# Altium PCB PCB2.PcbDoc (part 1 of 9) (continued)
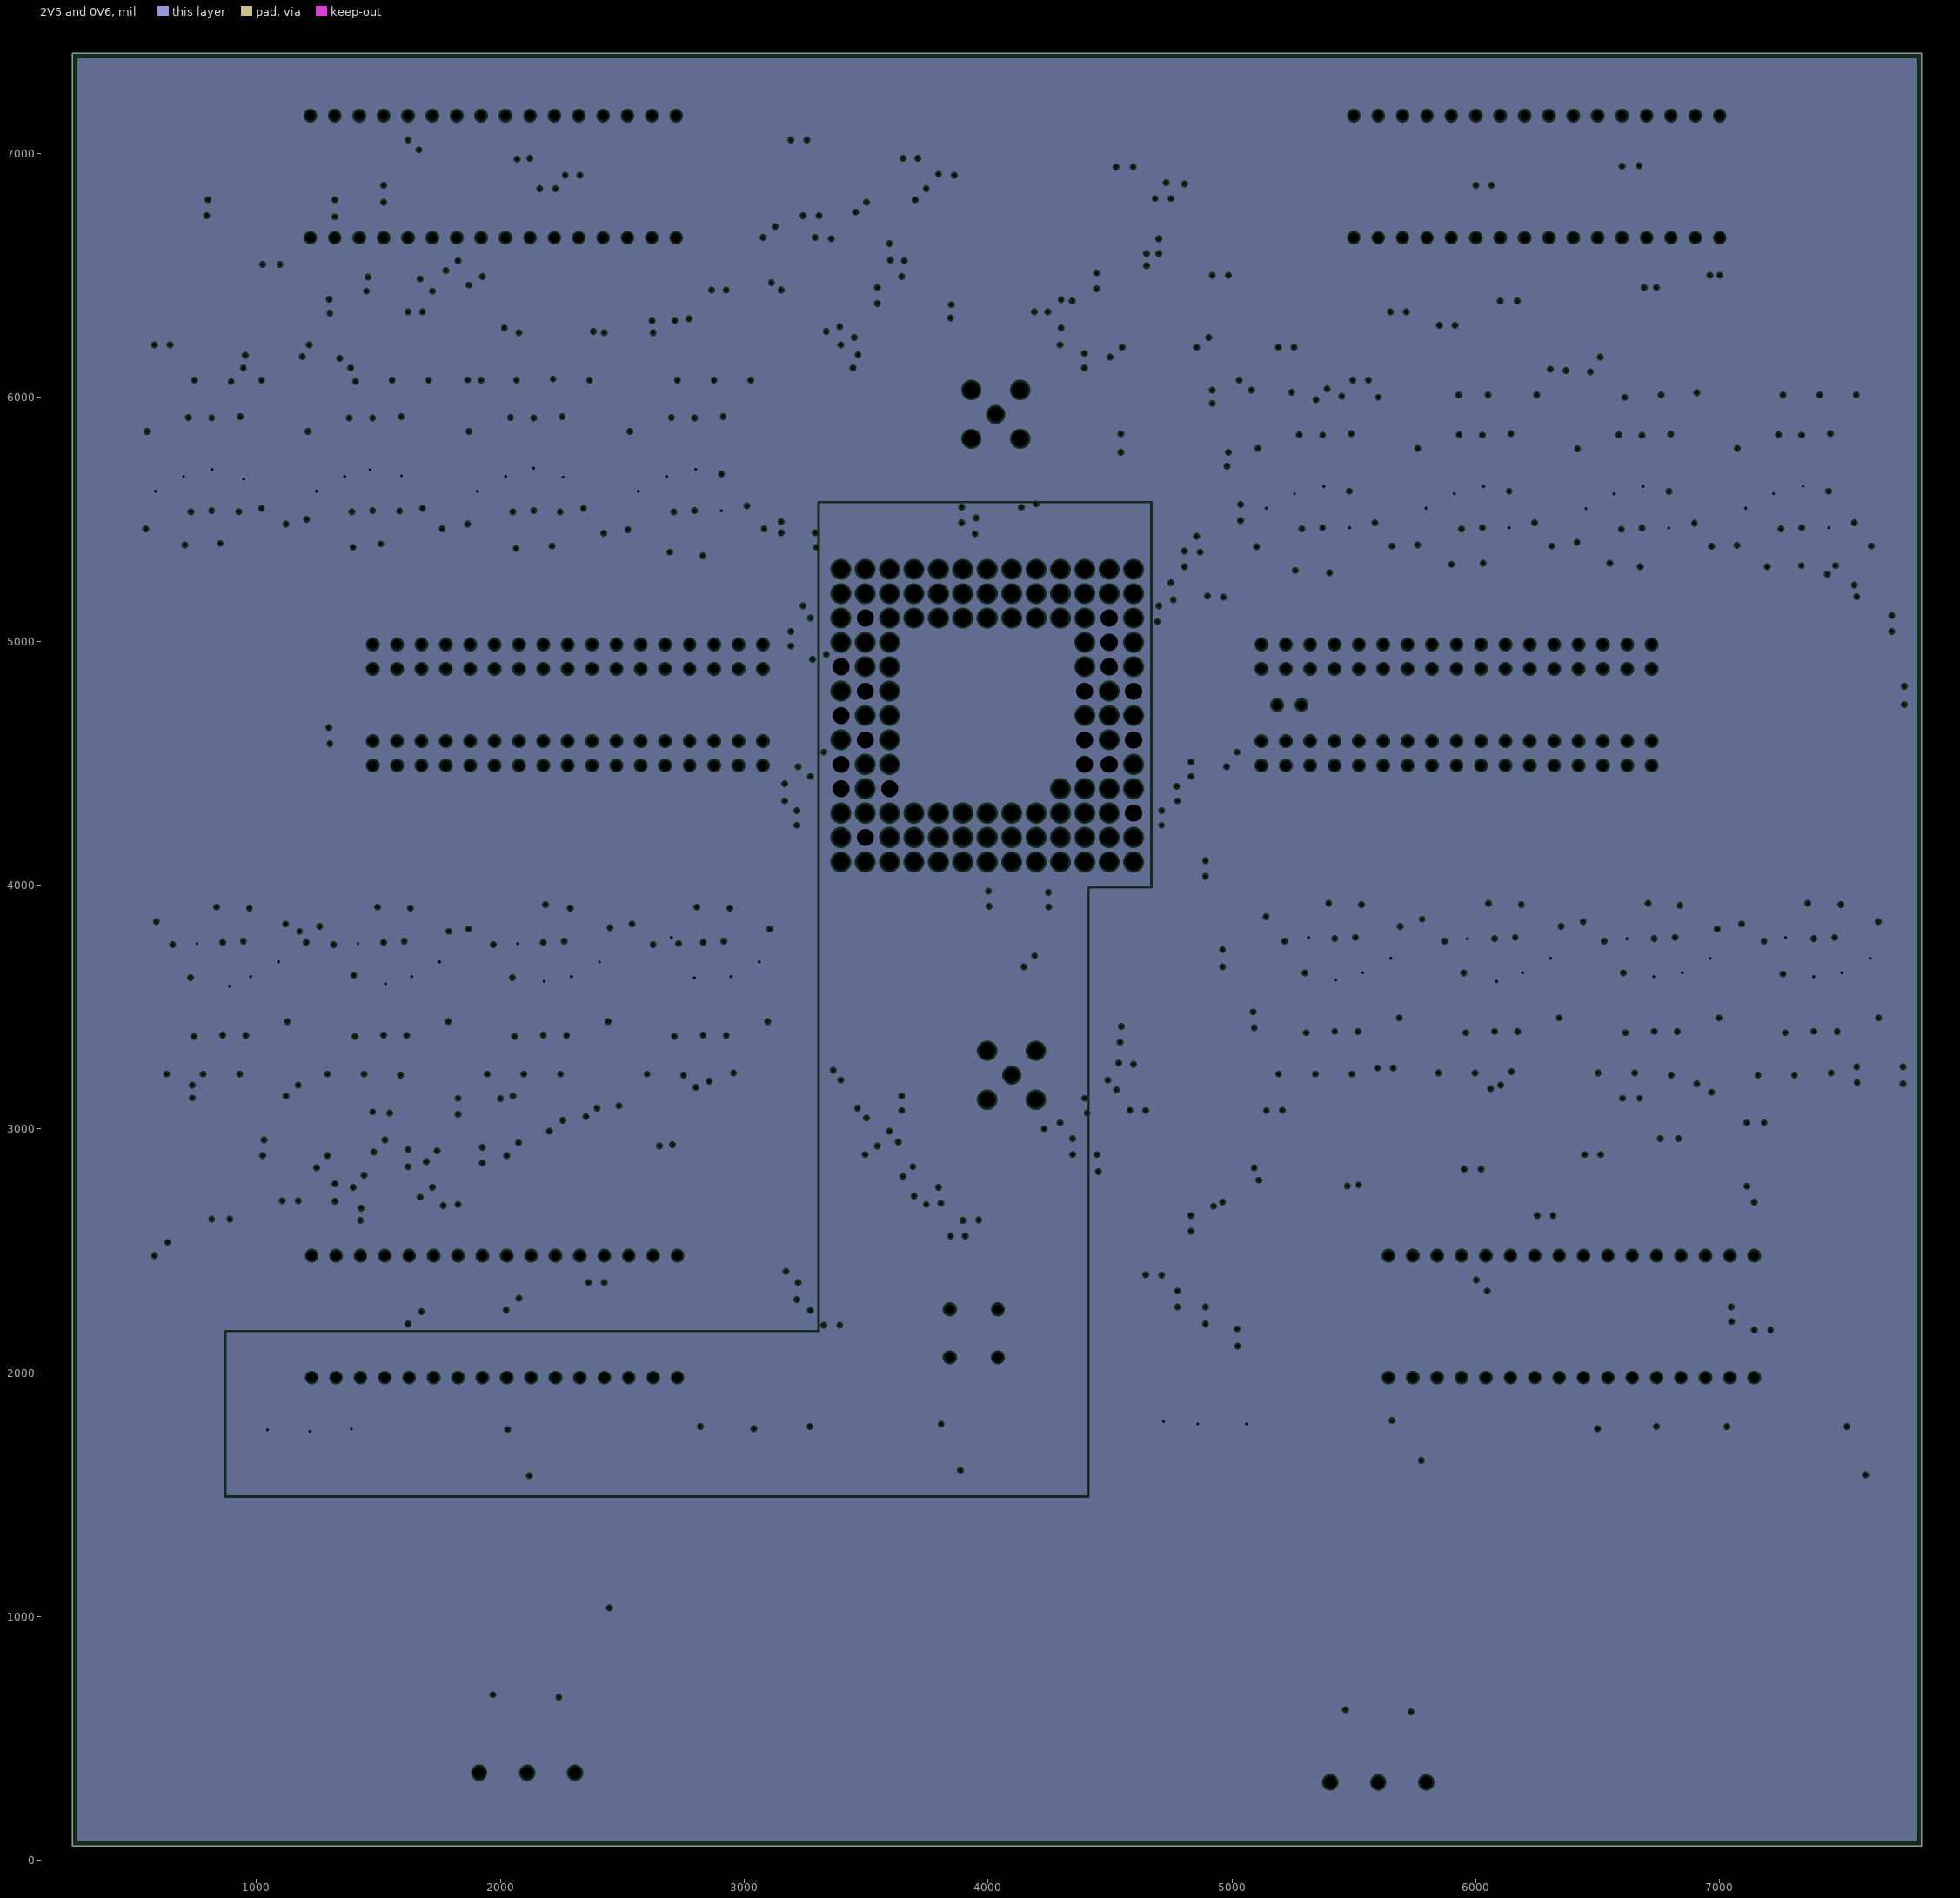
[diagram p3: 2V5 and 0V6, clearances drawn from the general rule]
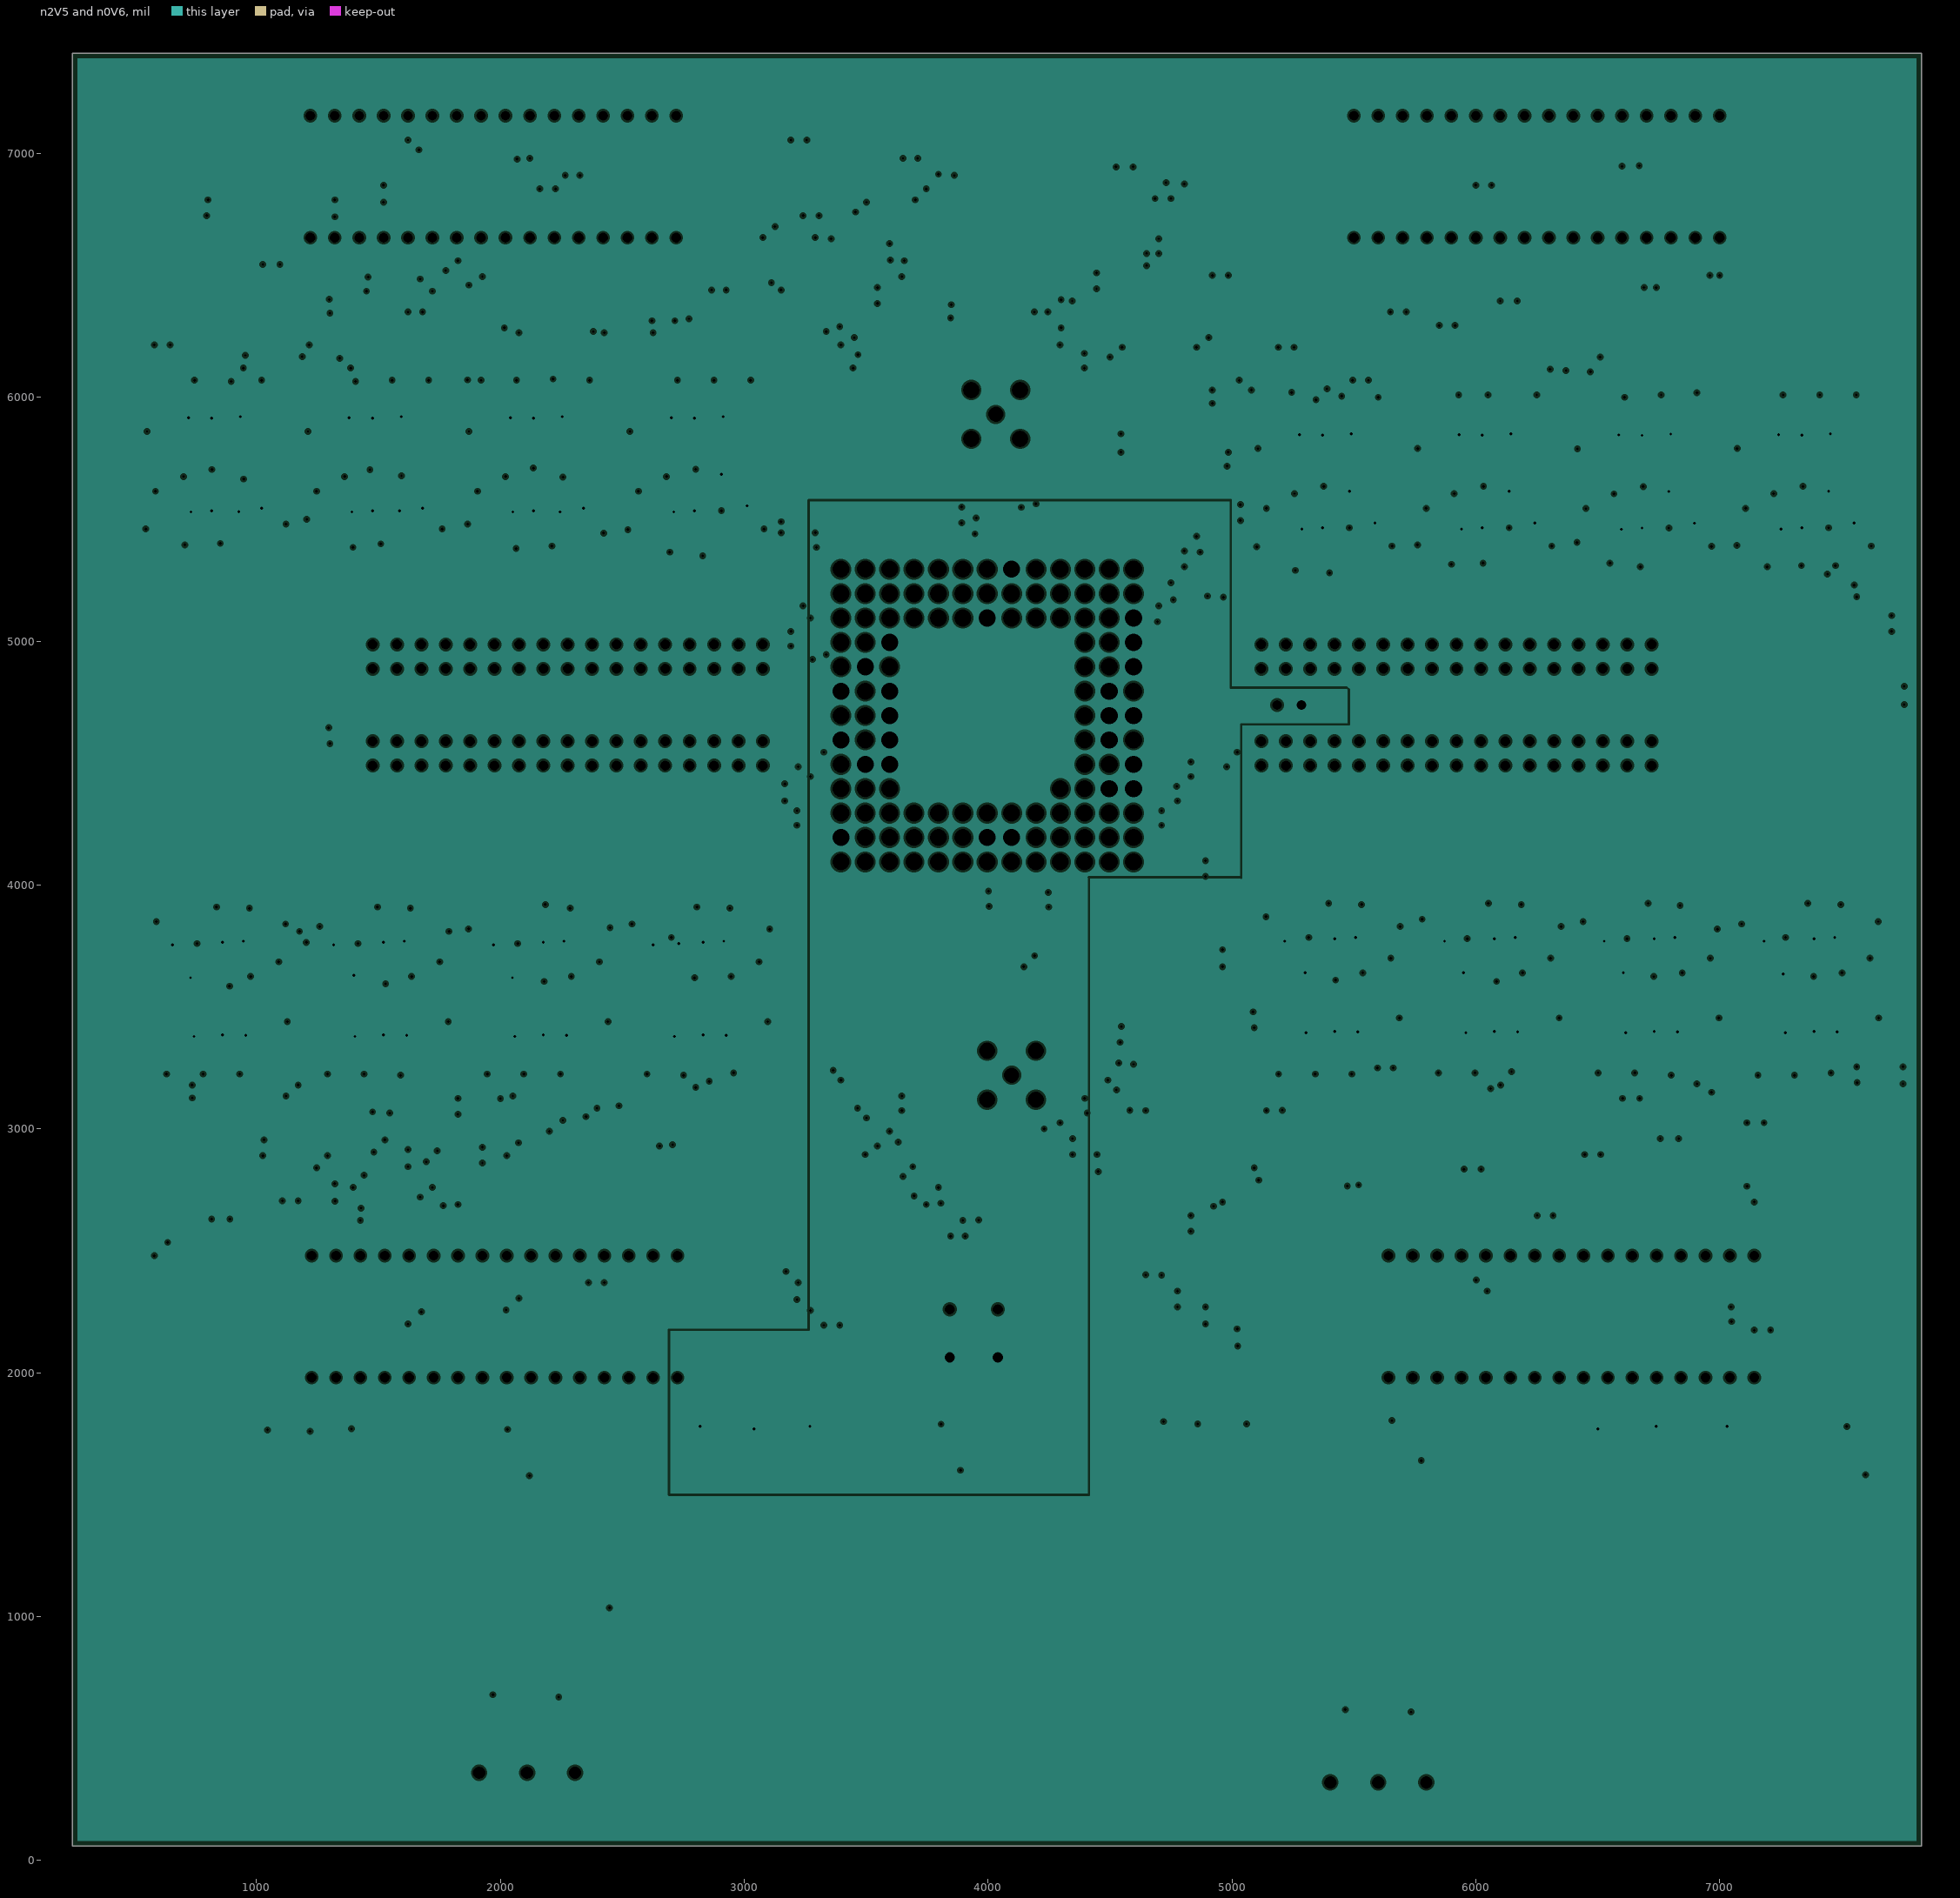
[diagram p4: n2V5 and n0V6, clearances drawn from the general rule]
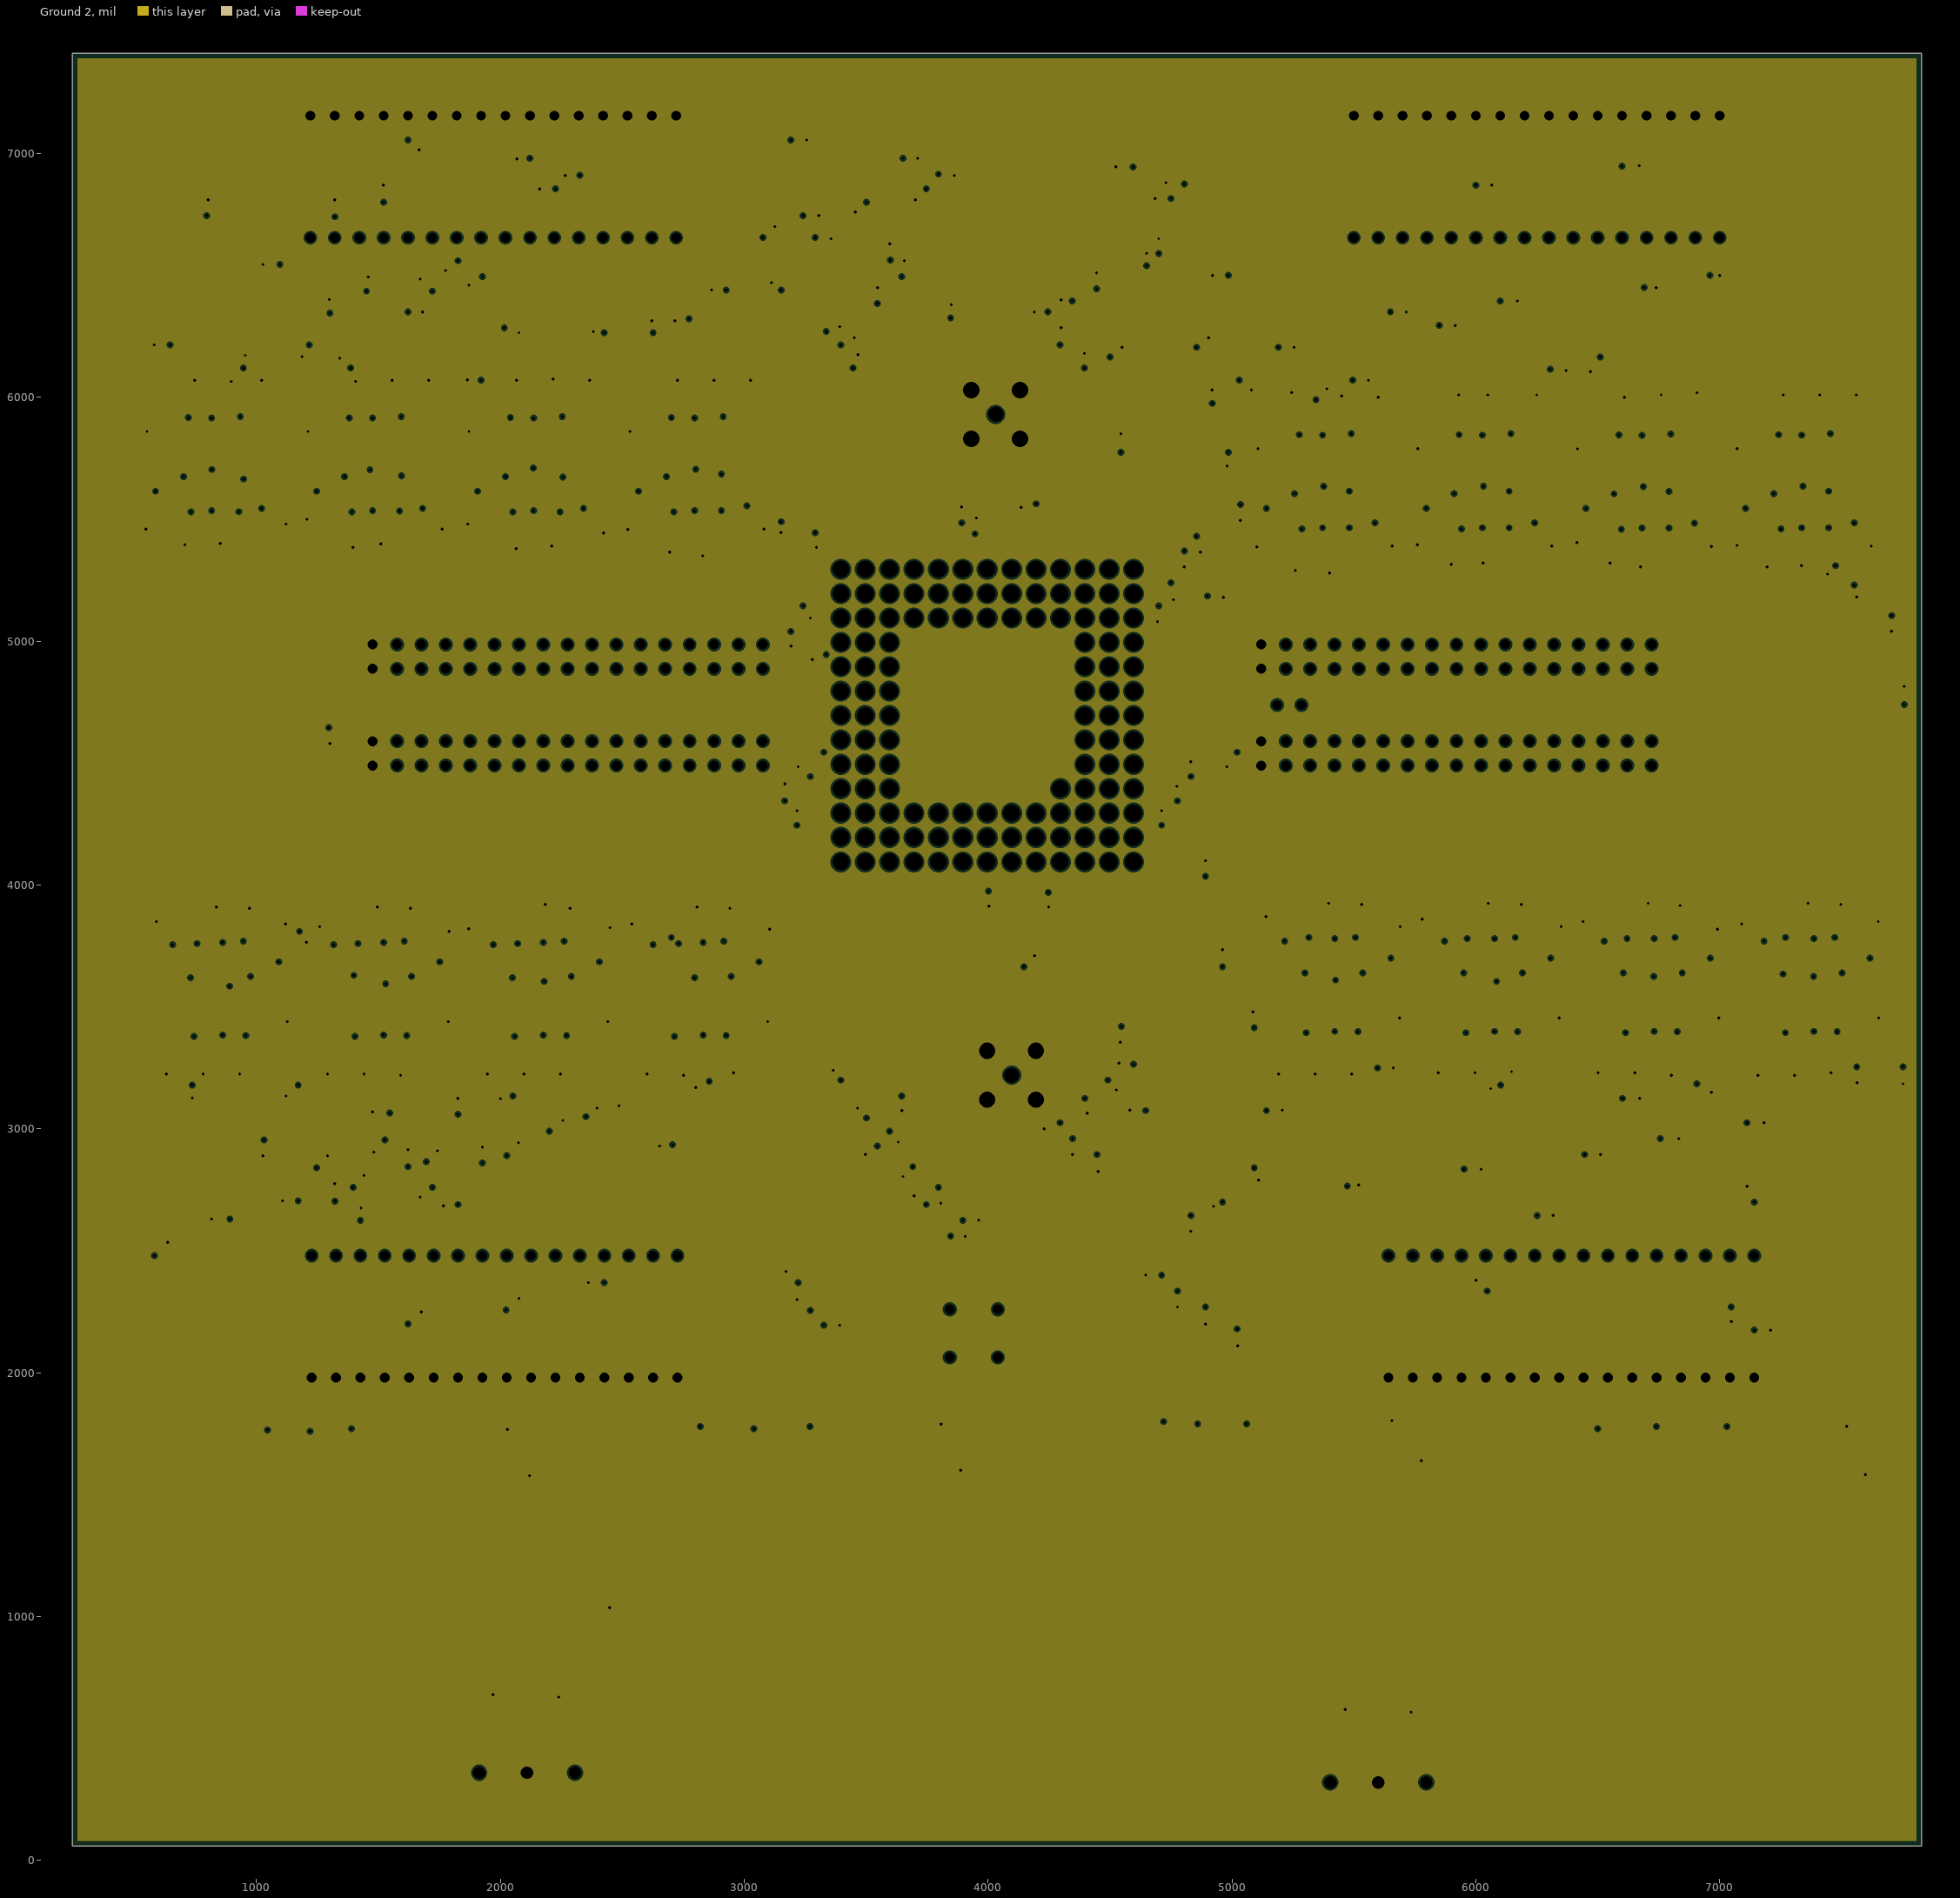
[diagram p5: Ground 2, clearances drawn from the general rule]

## Layer stack, top to bottom
Top Solder: solder mask 0.4, Solder Resist, Dk 3.5
Signal 1: signal copper 1.378
Dielectric 2: core 8, PP-006, Dk 4.1
Ground 1: plane copper 1.378, net GND
Dielectric 4: prepreg 8, PP-006, Dk 4.1
2V5 and 0V6: plane copper 1.378, net 2V5
Dielectric 1: core 12, PP-006, Dk 4.1
n2V5 and n0V6: plane copper 1.378, net n2V5
Dielectric 5: prepreg 8, PP-006, Dk 4.1
Ground 2: plane copper 1.378, net GND
Dielectric 3: core 8, PP-006, Dk 4.1
Signal 2: signal copper 1.378
Bottom Solder: solder mask 0.4, Solder Resist, Dk 3.5

## Board outline
246.68,60 7826.68,60 7826.68,7410 246.68,7410

## Design rules (kind name [scope] priority, off if disabled: settings)
Clearance [All] p1: gap=8 ignorepadtopadclearanceinfootprint=TRUE except(6: Arc-Arc Arc-Track Arc-SMDPad Track-Track Track-SMDPad SMDPad-SMDPad)
DiffPairsRouting [All] p1: maxlimit=6 minlimit=6 mostfreqgap=6 toplayer_minwidth=8.5 toplayer_maxwidth=8.5 toplayer_prefwidth=8.5 bottomlayer_minwidth=8.5 bottomlayer_maxwidth=8.5 bottomlayer_prefwidth=8.5 impedanceprofiledriven=TRUE impedanceprofileid={DE815C19-CBB6-487E-9EF9-4AC9038EB96E} impedanceprofilevalue=100.000000 maxuncoupledlength=500
MinimumSolderMaskSliver [All] p1: minsoldermaskwidth=4
PlaneClearance [All] p1: clearance=8
PlaneConnect [All] p1: planeconnectstyle=Relief reliefexpansion=15 reliefentries=4 reliefconductorwidth=10 reliefairgap=10
PolygonConnect [All] p1: connectstyle=Relief reliefconductorwidth=10 reliefentries=4 polygonreliefangle="90 Angle" airgapwidth=10
RoomDefinition U_single_ended_to_diff_quad12 [InComponentClass('U_single_ended_to_diff_quad12')] p1: confinementstyle=ConfineIn formatcopy=FALSE lockcomponents=FALSE outline 7026.68,5300 7676.68,5300 7676.68,5965 7026.68,5965
RoomDefinition U_single_ended_to_diff_quad1 [InComponentClass('U_single_ended_to_diff_quad1')] p2: confinementstyle=ConfineIn formatcopy=TRUE lockcomponents=FALSE outline 1171.68,3930 521.68,3930 521.68,3265 1171.68,3265
RoomDefinition U_single_ended_to_diff_quad8 [InComponentClass('U_single_ended_to_diff_quad8')] p3: confinementstyle=ConfineIn formatcopy=FALSE lockcomponents=FALSE outline 2486.68,5370 3136.68,5370 3136.68,6035 2486.68,6035
RoomDefinition U_single_ended_to_diff_quad5 [InComponentClass('U_single_ended_to_diff_quad5')] p4: confinementstyle=ConfineIn formatcopy=FALSE lockcomponents=FALSE outline 506.68,5370 1156.68,5370 1156.68,6035 506.68,6035
RoomDefinition U_single_ended_to_diff_quad7 [InComponentClass('U_single_ended_to_diff_quad7')] p5: confinementstyle=ConfineIn formatcopy=FALSE lockcomponents=FALSE outline 1826.68,5370 2476.68,5370 2476.68,6035 1826.68,6035
RoomDefinition U_single_ended_to_diff_quad6 [InComponentClass('U_single_ended_to_diff_quad6')] p6: confinementstyle=ConfineIn formatcopy=FALSE lockcomponents=FALSE outline 1166.68,5370 1816.68,5370 1816.68,6035 1166.68,6035
RoomDefinition U_single_ended_to_diff_quad2 [InComponentClass('U_single_ended_to_diff_quad2')] p7: confinementstyle=ConfineIn formatcopy=FALSE lockcomponents=FALSE outline 1831.68,3930 1181.68,3930 1181.68,3265 1831.68,3265
RoomDefinition U_single_ended_to_diff_quad3 [InComponentClass('U_single_ended_to_diff_quad3')] p8: confinementstyle=ConfineIn formatcopy=FALSE lockcomponents=FALSE outline 2486.68,3930 1836.68,3930 1836.68,3265 2486.68,3265
RoomDefinition U_single_ended_to_diff_quad4 [InComponentClass('U_single_ended_to_diff_quad4')] p9: confinementstyle=ConfineIn formatcopy=FALSE lockcomponents=FALSE outline 3141.68,3930 2491.68,3930 2491.68,3265 3141.68,3265
RoomDefinition U_single_ended_to_diff_quad13 [InComponentClass('U_single_ended_to_diff_quad13')] p10: confinementstyle=ConfineIn formatcopy=FALSE lockcomponents=FALSE outline 5731.68,3945 5081.68,3945 5081.68,3280 5731.68,3280
RoomDefinition U_single_ended_to_diff_quad14 [InComponentClass('U_single_ended_to_diff_quad14')] p11: confinementstyle=ConfineIn formatcopy=FALSE lockcomponents=FALSE outline 6386.68,3945 5736.68,3945 5736.68,3280 6386.68,3280
RoomDefinition U_single_ended_to_diff_quad15 [InComponentClass('U_single_ended_to_diff_quad15')] p12: confinementstyle=ConfineIn formatcopy=FALSE lockcomponents=FALSE outline 7041.68,3945 6391.68,3945 6391.68,3280 7041.68,3280
RoomDefinition U_single_ended_to_diff_quad16 [InComponentClass('U_single_ended_to_diff_quad16')] p13: confinementstyle=ConfineIn formatcopy=FALSE lockcomponents=FALSE outline 7696.68,3945 7046.68,3945 7046.68,3280 7696.68,3280
RoomDefinition U_single_ended_to_diff_quad9 [InComponentClass('U_single_ended_to_diff_quad9')] p14: confinementstyle=ConfineIn formatcopy=FALSE lockcomponents=FALSE outline 5061.68,5300 5711.68,5300 5711.68,5965 5061.68,5965
RoomDefinition U_single_ended_to_diff_quad10 [InComponentClass('U_single_ended_to_diff_quad10')] p15: confinementstyle=ConfineIn formatcopy=FALSE lockcomponents=FALSE outline 5716.68,5300 6366.68,5300 6366.68,5965 5716.68,5965
RoomDefinition U_single_ended_to_diff_quad11 [InComponentClass('U_single_ended_to_diff_quad11')] p16: confinementstyle=ConfineIn formatcopy=FALSE lockcomponents=FALSE outline 6371.68,5298.9 7021.68,5298.9 7021.68,5963.9 6371.68,5963.9
RoutingVias [All] p1: holewidth=28 width=50 viastyle="Through Hole" minholewidth=28 minwidth=50 maxholewidth=28 maxwidth=50 useviatemplates=TRUE viatemplateguid#1={D4E30E75-4422-4315-B219-963847521795} viatemplatename#1=v61h30
SilkToSolderMaskClearance [IsPad] p1: minsilkscreentomaskgap=6 clearancetoexposedcopper=TRUE
SolderMaskExpansion [All] p1: expansion=4 istentingtop=FALSE
SupplyNets "Schematic Supply Nets_8" [InNet('n2V5')] p1: voltage=0.000
SupplyNets "Schematic Supply Nets_7" [InNet('-2V5_UF')] p2: voltage=0.000
SupplyNets "Schematic Supply Nets_6" [InNet('2V5')] p3: voltage=0.000
SupplyNets "Schematic Supply Nets_5" [InNet('-0V6_UF')] p4: voltage=0.000
SupplyNets "Schematic Supply Nets_4" [InNet('GND')] p5: voltage=0.000
SupplyNets "Schematic Supply Nets_3" [InNet('0V6')] p6: voltage=0.000
SupplyNets "Schematic Supply Nets_2" [InNet('+0V6_UF')] p7: voltage=0.000
SupplyNets "Schematic Supply Nets_1" [InNet('n0V6')] p8: voltage=0.000
SupplyNets "Schematic Supply Nets" [InNet('+2V5_UF')] p9: voltage=0.000
Width [All] p1: maxlimit=20 minlimit=6 preferedwidth=7
25 further rules are at their usual default settings.

## Classes and differential pairs
component class U_single_ended_to_diff: TP2 TP4 TP5
channel class single_ended_to_diff_quad: U_single_ended_to_diff_quad1 U_single_ended_to_diff_quad2 U_single_ended_to_diff_quad3 U_single_ended_to_diff_quad4 U_single_ended_to_diff_quad5 U_single_ended_to_diff_quad6 U_single_ended_to_diff_quad7 U_single_ended_to_diff_quad8 U_single_ended_to_diff_quad9 U_single_ended_to_diff_quad10 U_single_ended_to_diff_quad11 U_single_ended_to_diff_quad12 U_single_ended_to_diff_quad13 U_single_ended_to_diff_quad14 U_single_ended_to_diff_quad15 U_single_ended_to_diff_quad16
net class CHP[63..0]: CHP0 CHP1 CHP2 CHP3 CHP4 CHP5 CHP6 CHP7 CHP8 CHP9 CHP10 CHP11 CHP12 CHP13 CHP14 CHP15 CHP16 CHP17 CHP18 CHP19 CHP20 CHP21 CHP22 CHP23 CHP24 CHP25 CHP26 CHP27 CHP28 CHP29 CHP30 CHP31 CHP32 CHP33 CHP34 CHP35 CHP36 CHP37 CHP38 CHP39 CHP40 CHP41 CHP42 CHP43 CHP44 CHP45 CHP46 CHP47 CHP48 CHP49 CHP50 CHP51 CHP52 CHP53 CHP54 CHP55 CHP56 CHP57 CHP58 CHP59 CHP60 CHP61 CHP62 CHP63
net class CHN[63..0]: CHN0 CHN1 CHN2 CHN3 CHN4 CHN5 CHN6 CHN7 CHN8 CHN9 CHN10 CHN11 CHN12 CHN13 CHN14 CHN15 CHN16 CHN17 CHN18 CHN19 CHN20 CHN21 CHN22 CHN23 CHN24 CHN25 CHN26 CHN27 CHN28 CHN29 CHN30 CHN31 CHN32 CHN33 CHN34 CHN35 CHN36 CHN37 CHN38 CHN39 CHN40 CHN41 CHN42 CHN43 CHN44 CHN45 CHN46 CHN47 CHN48 CHN49 CHN50 CHN51 CHN52 CHN53 CHN54 CHN55 CHN56 CHN57 CHN58 CHN59 CHN60 CHN61 CHN62 CHN63
component class U_single_ended_to_diff_quad16: C23_U_single_ended_to_diff_quad16 C24_U_single_ended_to_diff_quad16 C25_U_single_ended_to_diff_quad16 C26_U_single_ended_to_diff_quad16 C27_U_single_ended_to_diff_quad16 C28_U_single_ended_to_diff_quad16 C29_U_single_ended_to_diff_quad16 C30_U_single_ended_to_diff_quad16 R8_U_single_ended_to_diff_quad16 R9_U_single_ended_to_diff_quad16 R10_U_single_ended_to_diff_quad16 R11_U_single_ended_to_diff_quad16 R12_U_single_ended_to_diff_quad16 R13_U_single_ended_to_diff_quad16 R14_U_single_ended_to_diff_quad16 R15_U_single_ended_to_diff_quad16 R16_U_single_ended_to_diff_quad16 R17_U_single_ended_to_diff_quad16 R18_U_single_ended_to_diff_quad16 R19_U_single_ended_to_diff_quad16 R20_U_single_ended_to_diff_quad16 R21_U_single_ended_to_diff_quad16 R22_U_single_ended_to_diff_quad16 R23_U_single_ended_to_diff_quad16 R24_U_single_ended_to_diff_quad16 R25_U_single_ended_to_diff_quad16 R26_U_single_ended_to_diff_quad16 R27_U_single_ended_to_diff_quad16 R28_U_single_ended_to_diff_quad16 R29_U_single_ended_to_diff_quad16 R30_U_single_ended_to_diff_quad16 R31_U_single_ended_to_diff_quad16 U2_U_single_ended_to_diff_quad16
component class U_single_ended_to_diff_quad15: C23_U_single_ended_to_diff_quad15 C24_U_single_ended_to_diff_quad15 C25_U_single_ended_to_diff_quad15 C26_U_single_ended_to_diff_quad15 C27_U_single_ended_to_diff_quad15 C28_U_single_ended_to_diff_quad15 C29_U_single_ended_to_diff_quad15 C30_U_single_ended_to_diff_quad15 R8_U_single_ended_to_diff_quad15 R9_U_single_ended_to_diff_quad15 R10_U_single_ended_to_diff_quad15 R11_U_single_ended_to_diff_quad15 R12_U_single_ended_to_diff_quad15 R13_U_single_ended_to_diff_quad15 R14_U_single_ended_to_diff_quad15 R15_U_single_ended_to_diff_quad15 R16_U_single_ended_to_diff_quad15 R17_U_single_ended_to_diff_quad15 R18_U_single_ended_to_diff_quad15 R19_U_single_ended_to_diff_quad15 R20_U_single_ended_to_diff_quad15 R21_U_single_ended_to_diff_quad15 R22_U_single_ended_to_diff_quad15 R23_U_single_ended_to_diff_quad15 R24_U_single_ended_to_diff_quad15 R25_U_single_ended_to_diff_quad15 R26_U_single_ended_to_diff_quad15 R27_U_single_ended_to_diff_quad15 R28_U_single_ended_to_diff_quad15 R29_U_single_ended_to_diff_quad15 R30_U_single_ended_to_diff_quad15 R31_U_single_ended_to_diff_quad15 U2_U_single_ended_to_diff_quad15
component class U_single_ended_to_diff_quad14: C23_U_single_ended_to_diff_quad14 C24_U_single_ended_to_diff_quad14 C25_U_single_ended_to_diff_quad14 C26_U_single_ended_to_diff_quad14 C27_U_single_ended_to_diff_quad14 C28_U_single_ended_to_diff_quad14 C29_U_single_ended_to_diff_quad14 C30_U_single_ended_to_diff_quad14 R8_U_single_ended_to_diff_quad14 R9_U_single_ended_to_diff_quad14 R10_U_single_ended_to_diff_quad14 R11_U_single_ended_to_diff_quad14 R12_U_single_ended_to_diff_quad14 R13_U_single_ended_to_diff_quad14 R14_U_single_ended_to_diff_quad14 R15_U_single_ended_to_diff_quad14 R16_U_single_ended_to_diff_quad14 R17_U_single_ended_to_diff_quad14 R18_U_single_ended_to_diff_quad14 R19_U_single_ended_to_diff_quad14 R20_U_single_ended_to_diff_quad14 R21_U_single_ended_to_diff_quad14 R22_U_single_ended_to_diff_quad14 R23_U_single_ended_to_diff_quad14 R24_U_single_ended_to_diff_quad14 R25_U_single_ended_to_diff_quad14 R26_U_single_ended_to_diff_quad14 R27_U_single_ended_to_diff_quad14 R28_U_single_ended_to_diff_quad14 R29_U_single_ended_to_diff_quad14 R30_U_single_ended_to_diff_quad14 R31_U_single_ended_to_diff_quad14 U2_U_single_ended_to_diff_quad14
component class U_single_ended_to_diff_quad13: C23_U_single_ended_to_diff_quad13 C24_U_single_ended_to_diff_quad13 C25_U_single_ended_to_diff_quad13 C26_U_single_ended_to_diff_quad13 C27_U_single_ended_to_diff_quad13 C28_U_single_ended_to_diff_quad13 C29_U_single_ended_to_diff_quad13 C30_U_single_ended_to_diff_quad13 R8_U_single_ended_to_diff_quad13 R9_U_single_ended_to_diff_quad13 R10_U_single_ended_to_diff_quad13 R11_U_single_ended_to_diff_quad13 R12_U_single_ended_to_diff_quad13 R13_U_single_ended_to_diff_quad13 R14_U_single_ended_to_diff_quad13 R15_U_single_ended_to_diff_quad13 R16_U_single_ended_to_diff_quad13 R17_U_single_ended_to_diff_quad13 R18_U_single_ended_to_diff_quad13 R19_U_single_ended_to_diff_quad13 R20_U_single_ended_to_diff_quad13 R21_U_single_ended_to_diff_quad13 R22_U_single_ended_to_diff_quad13 R23_U_single_ended_to_diff_quad13 R24_U_single_ended_to_diff_quad13 R25_U_single_ended_to_diff_quad13 R26_U_single_ended_to_diff_quad13 R27_U_single_ended_to_diff_quad13 R28_U_single_ended_to_diff_quad13 R29_U_single_ended_to_diff_quad13 R30_U_single_ended_to_diff_quad13 R31_U_single_ended_to_diff_quad13 U2_U_single_ended_to_diff_quad13